# Altium PCB PCB1.PcbDoc (part 2 of 5)
Units mm, origin at the board's own origin, x right, y up, seen from the top; angles counter-clockwise.
Board outline 183.9 x 124.16 mm, 2 copper layers (Top Layer, Bottom Layer); 299 components, 222 nets, 3052 pads, 94 vias.
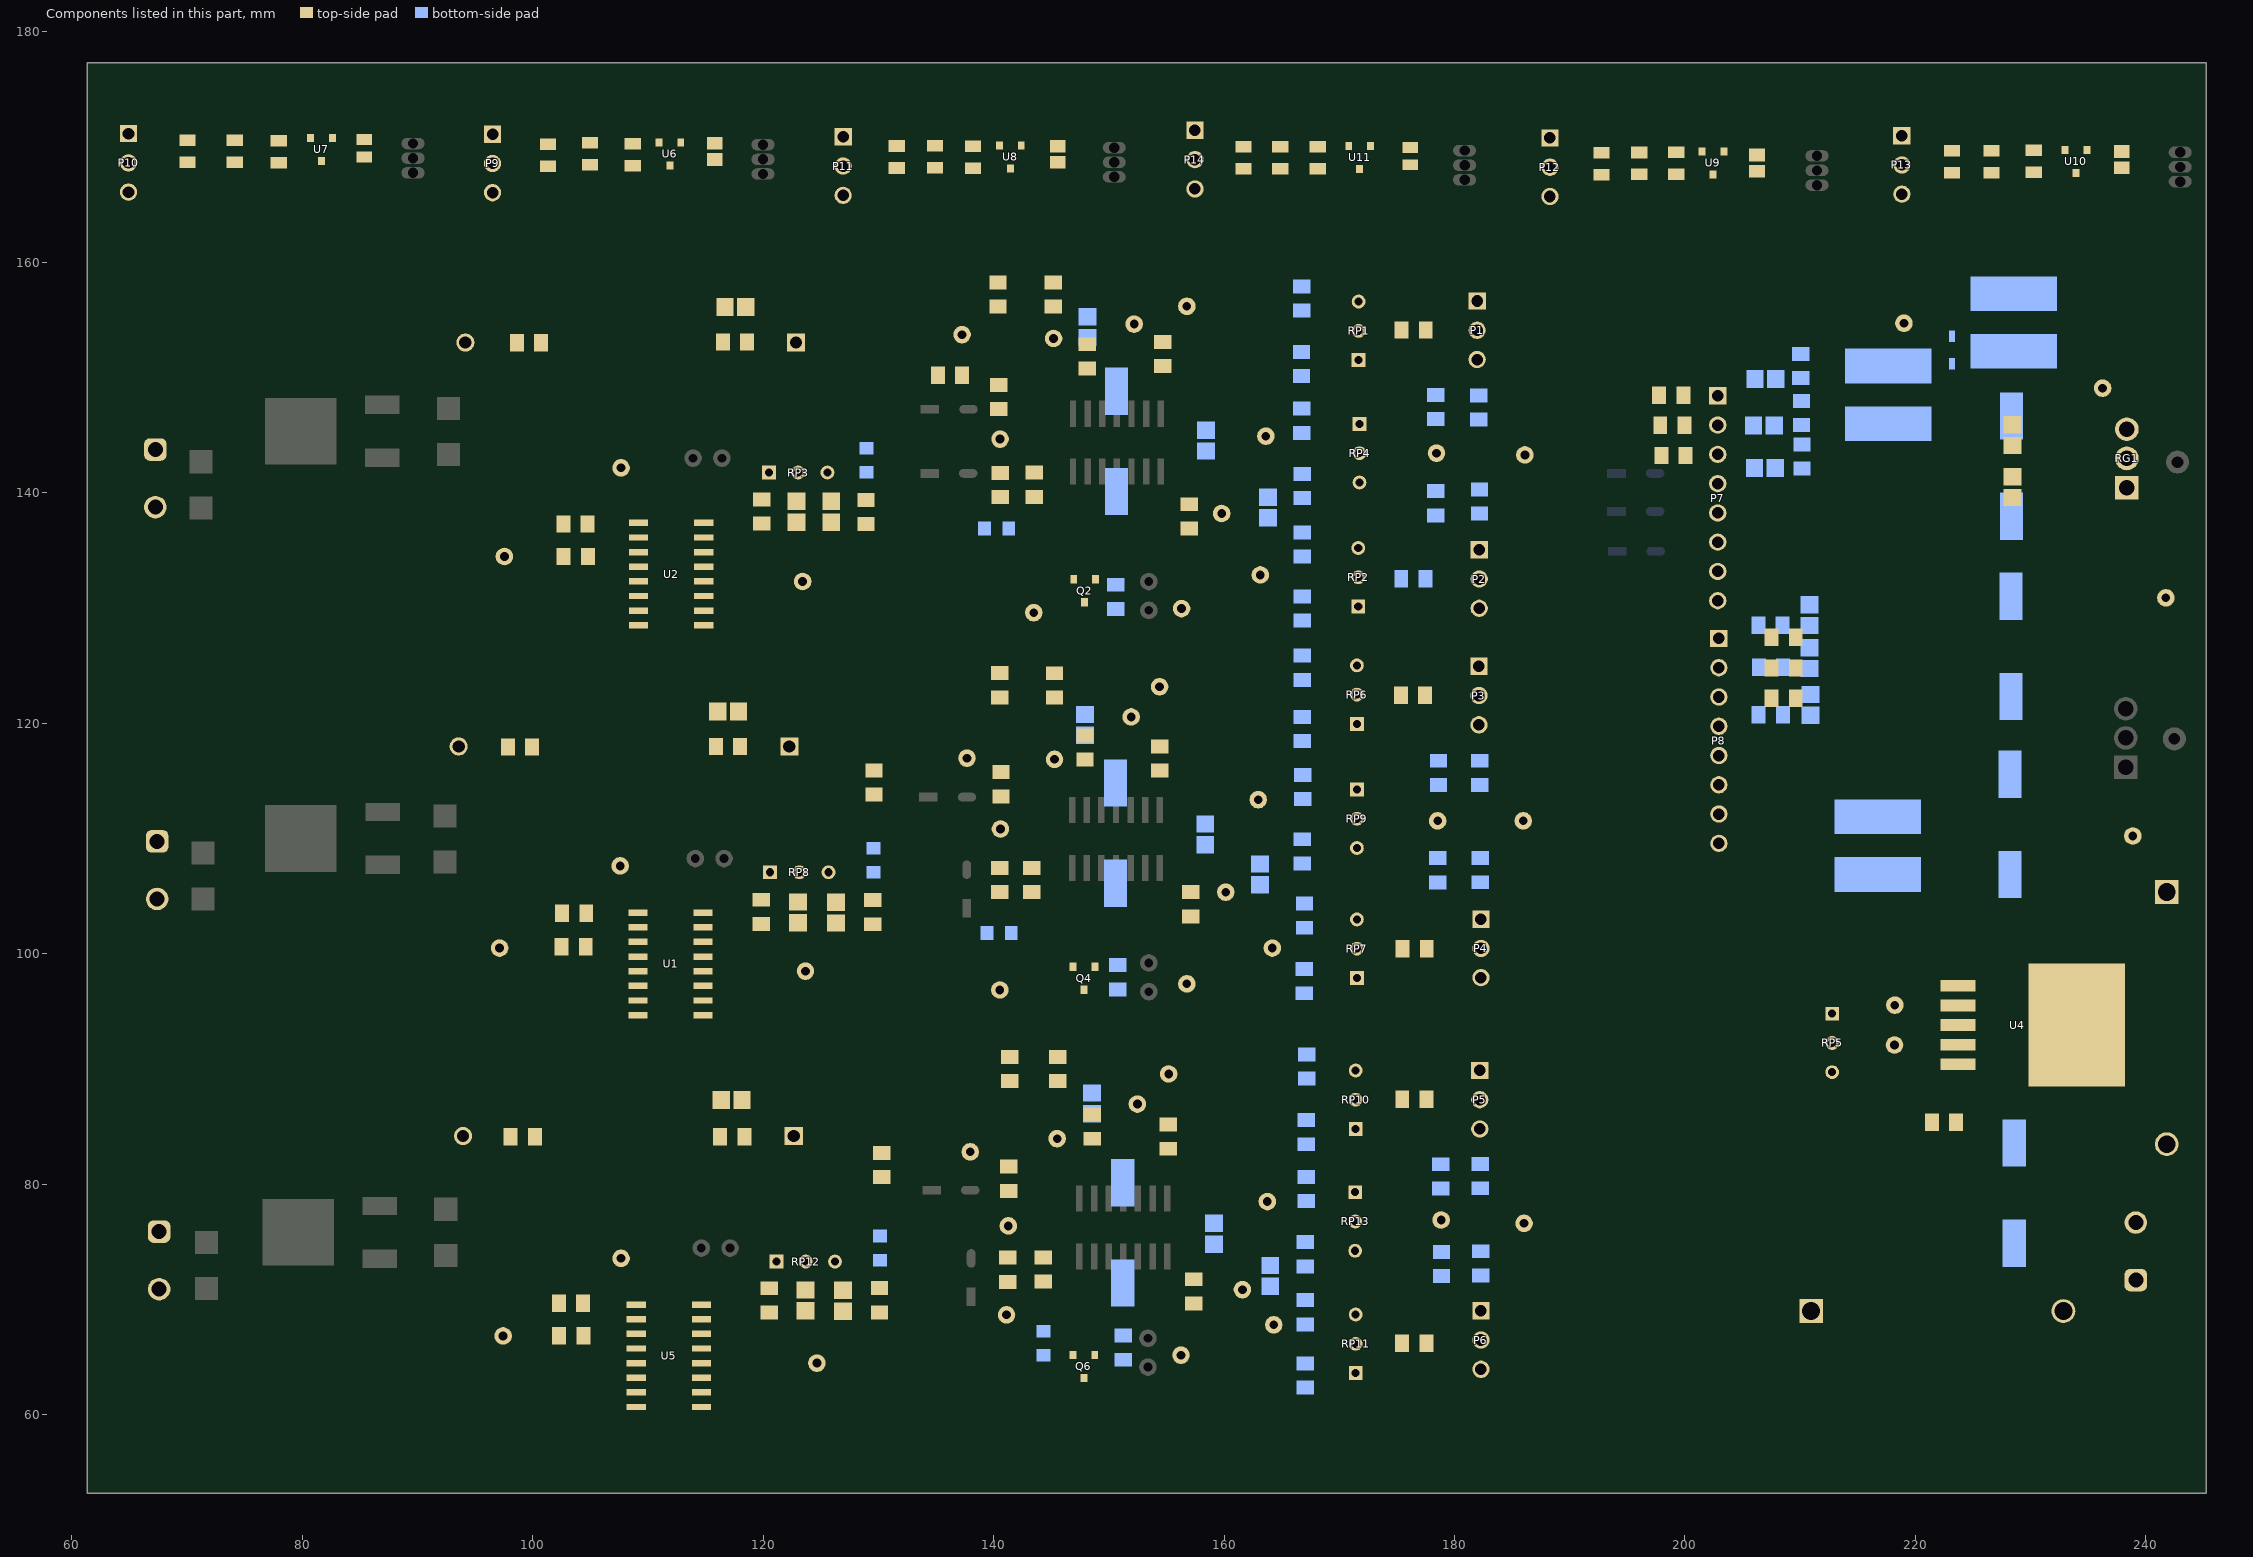
[diagram p2: the components of this part, seen from the top]

## Part data
C1 C4 C5 C9 C10 C13 C14 C15 C17 C18 C19 C20 C21 C23 C24 C25 C26 C27 C28 C29 C30 C37 C38 C39: library part C0805C104J4RACTU
C2 C3: library part "Cap Pol2", "Polarized Capacitor (Axial)", LatestRevisionDate=17-Jul-2002, LatestRevisionNote="Re-released for DXP Platform.", PackageDescription="Polarized Capacitor; 2 Leads", PackageReference=POLAR0.8, Published=8-Jun-2000, Publisher="Altium Limited"
C6 C7 C8 C11 C12 C16 C22: "Capacitor Polarised", Manufacturer_Name=Panasonic, Datasheet Link=http://industrial.panasonic.com/cdbs/www-data/pdf/RDE0000/ABA0000C1142.pdf, Manufacturer_Part_Number=EEE1HA101AP
C31 C32 C33 C34 C35 C36: library part C0805C104J4RACTU, "100pF"
CR1 CR2: "No Description Available", Mfr_Name=STMicroelectronics, Copyright="Copyright (C) 2022 Ultra Librarian. All rights reserved.", Manufacturer_Part_Number=1N5822RL, RefDes=RefDes, Type=DEV
D4 D5 D10 D11 D17 D18: "Typical RED, GREEN, YELLOW, AMBER GaAs LED", LatestRevisionDate=17-Jul-2002, LatestRevisionNote="Re-released for DXP Platform.", PackageDescription="SM LED; 2 Flat Leads", PackageReference=3.2X1.6X1.1, PackageVersion=Feb-2002, Published=8-Jun-2000, Publisher="Altium Limited"
J1: library part 691101710002, "WR-TBL Series 101 Horizontal Entry Modular, Through Hole, pitch 5mm, 2p", Manufacturer="Wurth Elektronik", Operating Temperature Max=105°C, Operating Temperature Min=-40°C, Rated Current=16A, Working Voltage=250V, Application="Pressure Clamp", Category="Terminal Blocks", ComponentLink1Description="Manufacturer Link", ComponentLink1URL=https://www.we-online.com/redexpert/article/691101710002?ad, ComponentLink2Description=Datasheet, ComponentLink2URL=https://www.we-online.com/redexpert/spec/691101710002?ad, Manufacturer Part Number=691101710002, Match Code=WR-TBL, Modularity=Yes, Mount="Through Hole", Orientation=Horizontal, Packaging=Box, PCB/Cable/Panel=PCB, Pin Number=2, Pitch=5mm
J2 J4 J5: "WR-TBL Series 101 Horizontal Entry Modular, Through Hole, pitch 5mm, 2p", Manufacturer="Wurth Elektronik", Operating Temperature Max=105°C, Operating Temperature Min=-40°C, Rated Current=16A, Working Voltage=250V, Application="Pressure Clamp", Category="Terminal Blocks", ComponentLink1Description="Manufacturer Link", ComponentLink1URL=https://www.we-online.com/redexpert/article/691101710002?ad, ComponentLink2Description=Datasheet, ComponentLink2URL=https://www.we-online.com/redexpert/spec/691101710002?ad, Manufacturer Part Number=691101710002, Match Code=WR-TBL, Modularity=Yes, Mount="Through Hole", Orientation=Horizontal, Packaging=Box, PCB/Cable/Panel=PCB, Pin Number=2, Pitch=5mm
L1 L2 L3: "SMD-Power Inductor WE-PD4, L = 100 µH", Inductance="100 ÂµH", ComponentLink1Description="Manufacturer Link", ComponentLink1URL=http://www.we-online.com, ComponentLink2Description=Datasheet, ComponentLink2URL=http://www.we-online.de/katalog/media/pdf/7445720.pdf, DatasheetVersion="ver 1, Oct-2004", PackageDescription="SMD Inductor, 2-Leads, Body 22.0 x 15.0 mm", PackageReference=WE-PD4-XL, PackageVersion=2004, PartNumber=7445720
P1 P2 P3 P4 P5 P6 P9 P10 P11 P12 P13 P14: "WR-WTB THT Male Vertical Locking Header, pitch 2.54mm, 3p", Contact Resistance=20mOhm, Operating Temperature="-40 to +105degC", Rated Current=3A, Withstanding Voltage=1000VAC, Working Voltage=250VAC, ComponentLink1Description=Manufacturer, ComponentLink1URL=http://www.we-online.de, ComponentLink2Description=Datasheet, ComponentLink2URL=https://www.we-online.com/catalog/datasheet/61900311121.pdf, Gender=Male, Mounting Technology=THT, Packaging=Bag, Part Number=61900311121, Pin Number=3, Pitch=2.54mm, Published Date="January 2020", Publisher="Wurth Elektronik", Type=Vertical
P7 P8: "WR-WTB THT Male Vertical Locking Header, pitch 2.54mm, 8p", Contact Resistance=20mOhm, Operating Temperature="-40 to +105degC", Rated Current=3A, Withstanding Voltage=1000VAC, Working Voltage=250VAC, ComponentLink1Description=Manufacturer, ComponentLink1URL=http://www.we-online.de, ComponentLink2Description=Datasheet, ComponentLink2URL=https://www.we-online.com/catalog/datasheet/61900811121.pdf, Gender=Male, Mounting Technology=THT, Packaging=Bag, Part Number=61900811121, Pin Number=8, Pitch=2.54mm, Published Date="January 2020", Publisher="Wurth Elektronik", Type=Vertical
Q2 Q4 Q6: "Transistor BJT NPN", Manufacturer_Name=Nexperia, Mouser Part Number=771-BC847B-T/R, Arrow Part Number=BC847B,215, Arrow Price/Stock=https://www.arrow.com/en/products/bc847b215/nexperia?region=nac, Datasheet Link=https://assets.nexperia.com/documents/data-sheet/BC847_SER.pdf, Height=1.1mm, Manufacturer_Part_Number=BC847B,215, Mouser Price/Stock=https://www.mouser.co.uk/ProductDetail/Nexperia/BC847B215?qs=me8TqzrmIYXXIdUoxWnHgw%3D%3D
R1 R4 R5 R6 R9 R12 R13 R14 R15 R17 R19 R21 R27 R28 R31 R36 R39 R41 R42 R48 R54 R55 R58 R62 R65 R67 R68 R74 R92 R93 R94 R119 R120 R121 R122 R123 R124: library part CRCW08050000Z0EA
R2 R16 R29 R43 R56 R69: library part CRCW08050000Z0EA, "9.1k"
R3 R8 R10 R11 R18 R23 R25 R30 R33 R35 R37 R38 R45 R46 R50 R52 R57 R61 R63 R64 R71 R72 R76 R78 R101 R102 R103 R104 R105 R106 R107 R108 R109 R110 R111 R112 R113 R114 R115 R116 R117 R118: library part CRCW08050000Z0EA, "10k"
R7 R20 R26 R34 R47 R53 R60 R73 R79 R83 R84 R85 R88 R97 R100: library part CRCW08050000Z0EA, "1k"
R22 R49 R75: library part CRCW08050000Z0EA, "51k"
R24 R51 R77 R80 R81 R82 R86 R89 R90 R91 R95 R98: library part CRCW08050000Z0EA, "7.5k"
R87 R96 R99: library part TUW5JR10E, "No Description Available", Mfr_Name=Ohmite, Copyright="Copyright (C) 2022 Ultra Librarian. All rights reserved.", Manufacturer_Part_Number=TUW5JR10E, RefDes=RefDes, Type=DEV
RG1: "REG IC REG LINEAR 5V 1A TO220AB", Current-Output=1A, Digikey Part Number=LM7805CT-ND, Manufacturer=Fairchild, Mouser Part Number=512-LM7805CT, Package=TO220, Part Number=LM7805CT, Temperature="-40°C to +125°C", Temperature Range High=+125°C, Temperature Range Low=-40°C, Voltage - Input (Max)=35V, Voltage - Output=5V, Voltage Dropout (Max)="2V @ 1A (Typ)", ComponentLink1Description=Upverter, ComponentLink1URL=https://upverter.com/upn/revision/b27a7358b7dd93a3/, ComponentLink2Description=Datasheet, ComponentLink2URL=https://www.fairchildsemi.com/datasheets/LM/LM7805.pdf, Digikey Description="REG IC REG LINEAR 5V 1A TO220AB", helpURL=https://upverter.com/upn/revision/b27a7358b7dd93a3/, Ipc Land Pattern Name=TO-220, Lead Free=yes, Price=0.384521982769, RoHS=TRUE, Supplier 1=Digi-Key, Supplier 2=Mouser, Supplier Part Number 1=LM7805CT-ND, Supplier Part Number 2=512-LM7805CT
RP1 RP2 RP3 RP4 RP5 RP6 RP7 RP8 RP9 RP10 RP11 RP12 RP13: library part 3296W-1-202LF
TP1 TP2 TP3 TP4 TP5 TP6 TP7 TP8 TP9 TP10 TP11 TP12 TP13 TP14 TP15 TP16 TP17 TP18 TP19 TP20 TP21 TP22 TP23 TP24 TP25 TP26 TP27 TP28 TP29 TP30 TP31 TP32 TP33 TP34 TP35 TP36 TP37 TP38 TP39 TP40 TP41 TP42 TP43 TP44 TP45 TP46 TP47 TP48 TP49 TP50 TP51: library part TP_PCB?, "Test_Point"
U1 U2 U5: "Pulse-Width-Modulation Control Circuit with Voltage Control, 45 % Duty Cycle, -40 to +85 degC, 16-pin SOIC (D), Green (RoHS & no Sb/Br)", Frequency(Max)(kHz)=300, Manufacturer="Texas Instruments", Rating=Military, Code_JEDEC=MS-012AC, ComponentLink1Description=Datasheet, ComponentLink1URL=http://www.ti.com/general/docs/lit/getliterature.tsp?genericPartNumber=TL494&fileType=pdf, Control Method=Voltage, DatasheetVersion=SLVS074E, Duty Cycle(Max)(%)=45, Eco-Plan="Green (RoHS & no Sb/Br)", Mounting Technology="Surface Mount", PackageDescription="16-Pin Plastic Small Outline Integrated Circuit, 9.9 x 3.9 mm, Pitch 1.27 mm Pitch", PackageReference=D16, PackageVersion="revM, Jun-2011", PartNumber=TL494ID, Regulated Outputs(#)=2, SubFamily="PWM Controller", Topology="Boost, Buck, Flyback, Forward, Full-Bridge, Half-Bridge, Push-Pull"
U4: library part LM2576D2T-005G
U6 U7 U8 U9 U10 U11: "IC VREF SHUNT ADJ SOT23-3", Current - Cathode=600µA, Current - Output=100mA, Digikey Part Number=1727-4259-1-ND, Manufacturer=Nexperia, Mouser Part Number=771-TL431AQDBZR215, Operating Temperature="-40°C ~ 125°C", Package="TO-236-3, SC-59, SOT-23-3", Part Number=TL431AQDBZR,215, Standard Package=1, Temperature="-40°C to +125°C", Temperature Range High=+125°C, Temperature Range Low=-40°C, Tolerance=±1%, Voltage - Input="2.495 V ~ 36 V", ComponentLink1Description=Upverter, ComponentLink1URL=https://upverter.com/upn/revision/897efb4cb52176e6/, ComponentLink2Description=Datasheet, ComponentLink2URL=http://assets.nexperia.com/documents/data-sheet/TL431_FAM.pdf, Digikey Description="IC VREF SHUNT ADJ SOT23-3", helpURL=https://upverter.com/upn/revision/897efb4cb52176e6/, Lead Free=yes, Mounting Type="Surface Mount", Number of Channels=1, Other Names=568-4890-6, Packaging=Digi-Reel®, Price=0.155797334872, Reference Type="Shunt, Adjustable, Precision", RoHS=TRUE, Supplier 1=Digi-Key, Supplier 2=Mouser, Supplier Part Number 1=1727-4259-1-ND, Supplier Part Number 2=771-TL431AQDBZR215, Voltage - Output="2.495 V ~ 36 V"
Z1: "Zener Diode", Manufacturer_Name=onsemi, Mouser Part Number=863-MM3Z5V1ST1G, Arrow Part Number=MM3Z5V1ST1G, Arrow Price/Stock=https://www.arrow.com/en/products/mm3z5v1st1g/on-semiconductor?region=nac, Datasheet Link=http://www.onsemi.com/pub/Collateral/MM3Z2V4ST1-D.PDF, Height=1.1mm, Manufacturer_Part_Number=MM3Z5V1ST1G, Mouser Price/Stock=https://www.mouser.co.uk/ProductDetail/onsemi/MM3Z5V1ST1G?qs=HVbQlW5zcXXFXX%2FQxsNWFg%3D%3D